# Altium PCB OpenRec.PcbDoc (part 2 of 4) (continued)
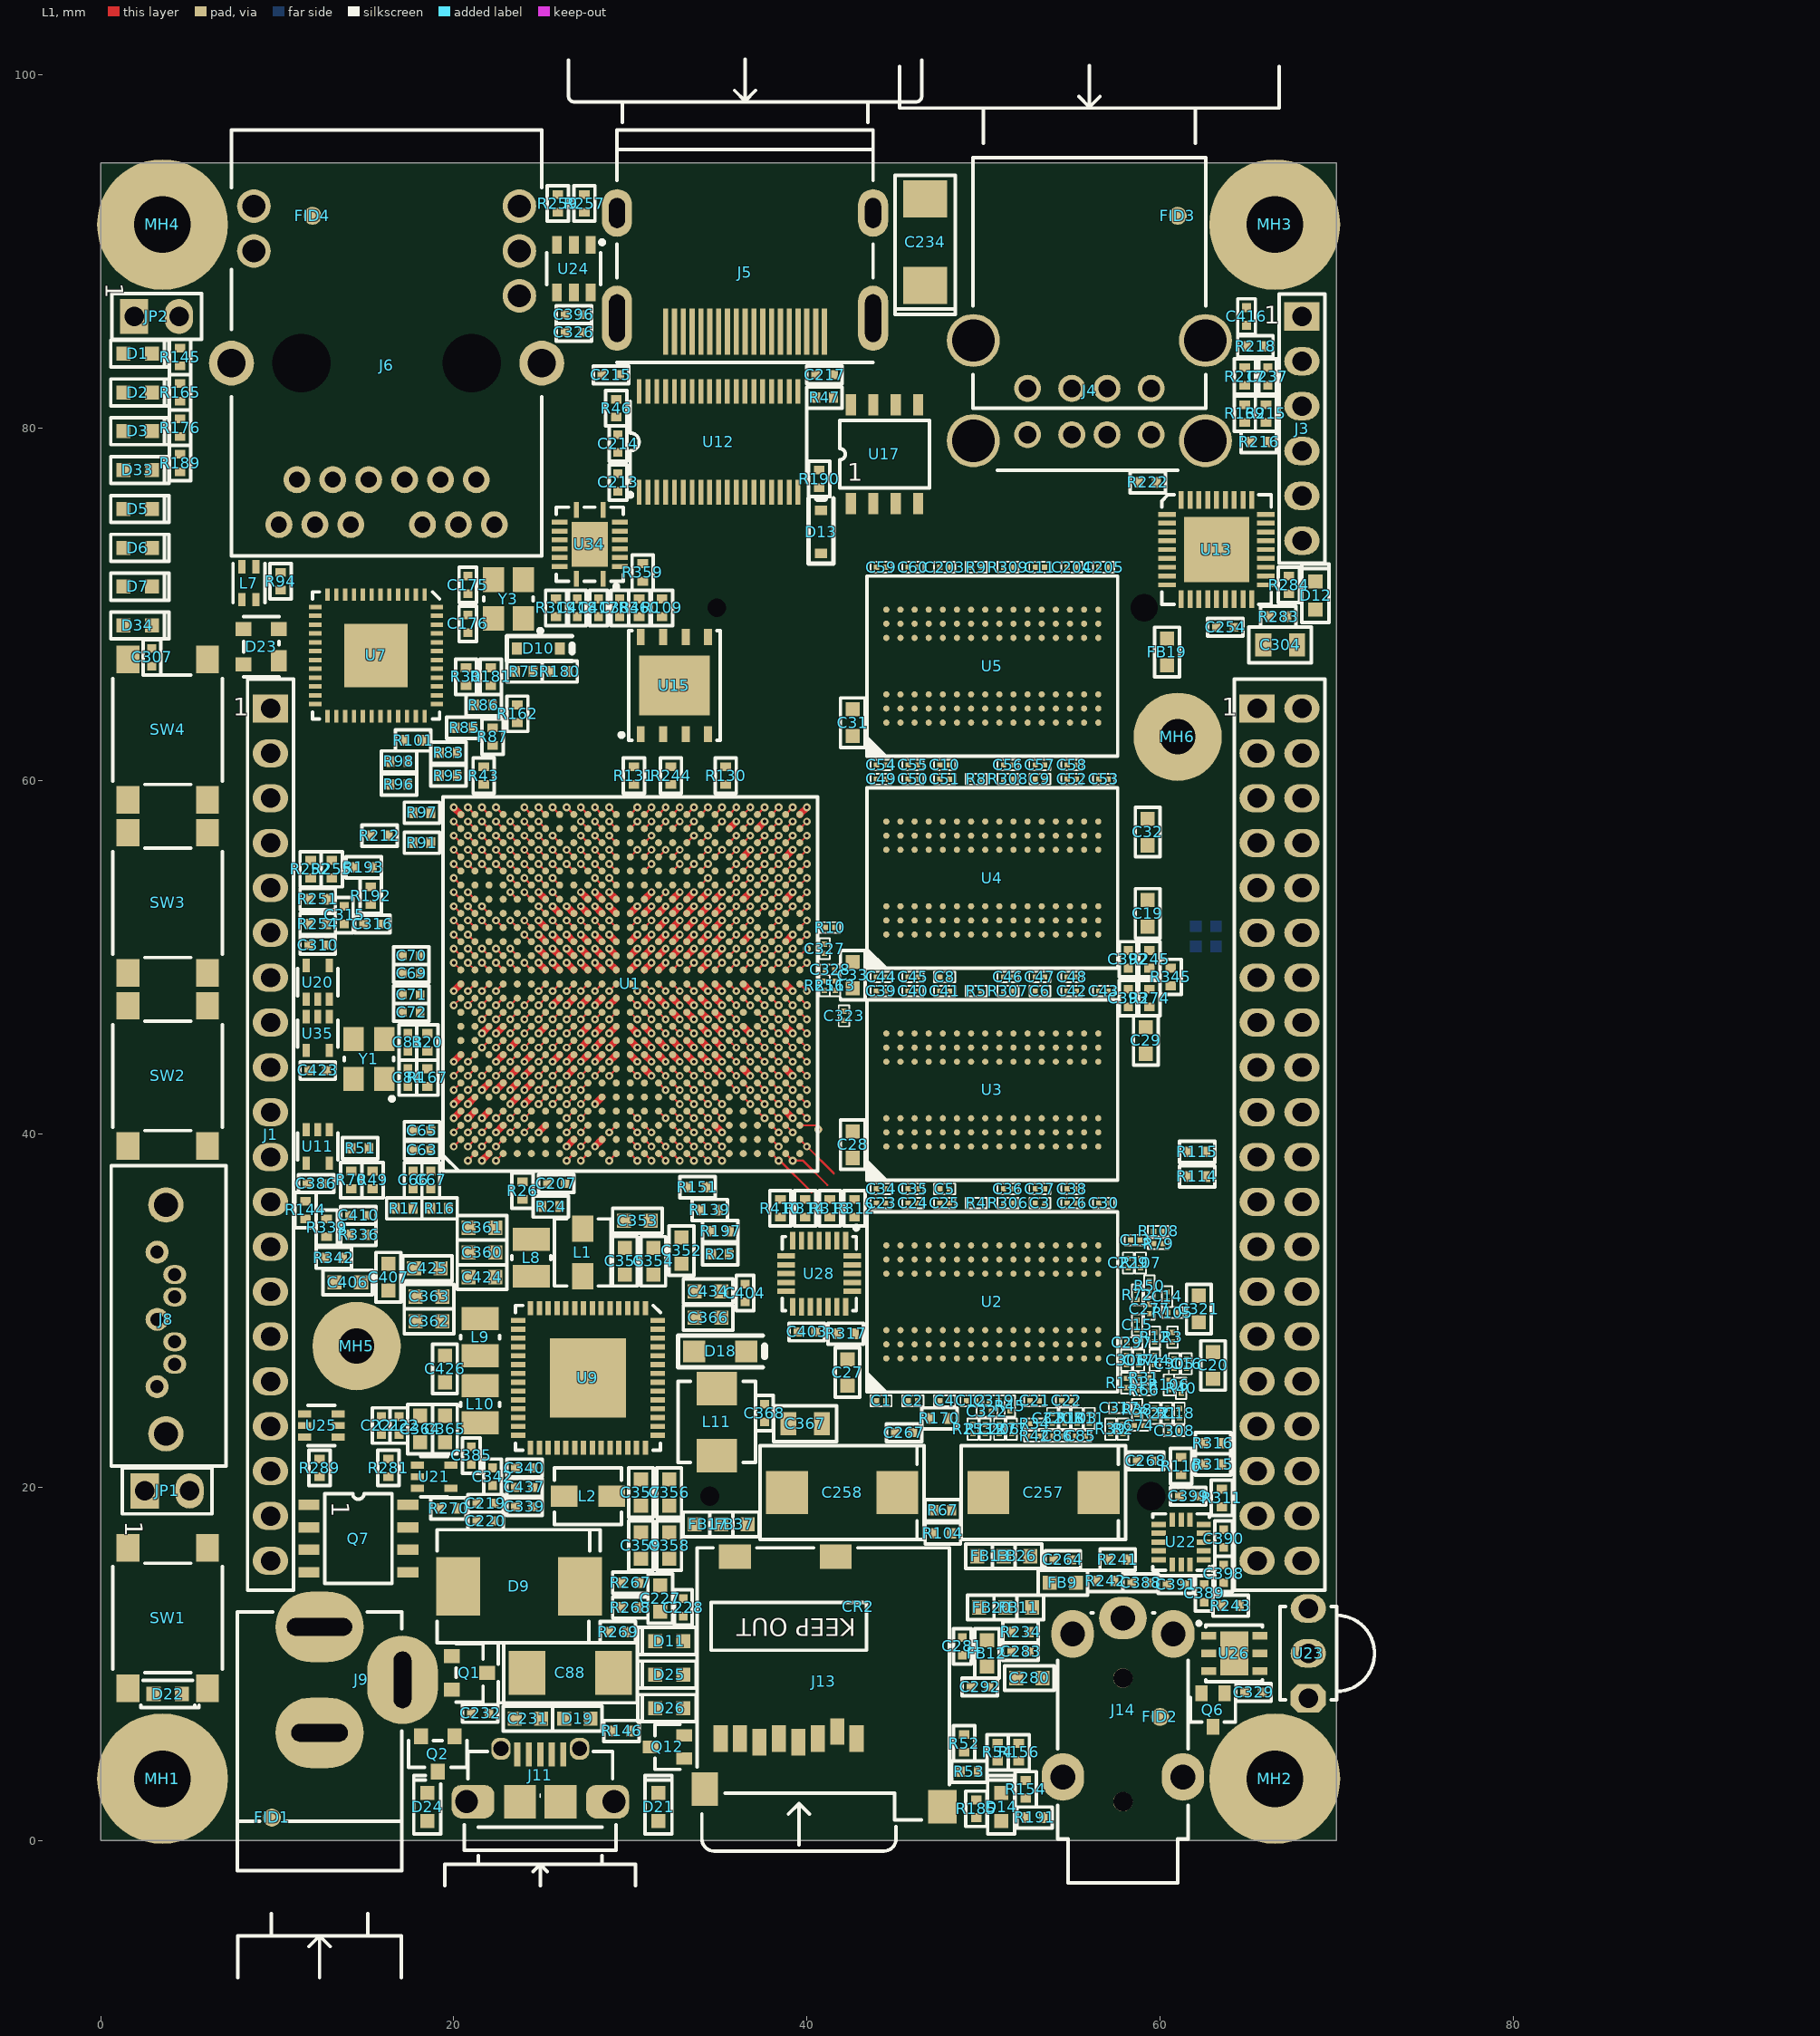
[diagram p0: L1 view]
## Components (designator, comment, footprint, x,y, rotation, side; value= is the part's Value field where it differs from the comment) (continued)
R240 "10k" R0402 28.3,61.2 r270 bottom
R241 "0R" R0402 57.6,15.9 r180 top
R242 "0R" R0402 56.9,14.7 r180 top
R243 "0R" R0402 64,13.3 r180 top
R244 "10k" R0402 32.3,60.3 r90 top
R245 "240R" R0402 59.4,49.9 r90 top
R246 "60R4" R0402 3.8,46.7 r0 bottom
R247 "0R" R0402 63.2,11.6 r180 bottom
R248 "0R" R0402 6.9,48.1 r0 bottom
R249 "60R4" R0402 5.8,46.7 r0 bottom
R250 "10k" R0402 1.8,47 r0 bottom
R251 "10k" R0402 12.3,53.3 r0 top
R252 "10k" R0402 11.9,55 r270 top
R253 "49R9" R0201 49.4,23.3 r270 top
R254 "33R" R0402 12.3,51.9 r180 top
R255 "33R" R0402 13.1,55 r90 top
R256 "49R9" R0201 41,48.4 r90 top
R257 "4k99" R0402 27.4,92.7 r90 top
R258 "0R" R0402 27.5,92.3 r270 bottom
R259 "0R" R0402 25.9,92.7 r270 top
R260 "100k" R0201 86.788,49.429 r180 bottom
R261 "100k" R0402 33.3,27.7 r180 bottom
R262 "100k" R0402 5.6,22.9 r270 bottom
R263 "47k" R0402 32.9,32 r90 bottom
R264 "47k" R0402 32.3,33.6 r0 bottom
R265 "10k" R0402 34.7,29.1 r180 bottom
R266 "100k" R0402 27.1,35.2 r0 bottom
R267 "330R" R0402 30,14.6 r0 top
R268 "330R" R0402 30,13.2 r180 top
R269 "330R" R0402 29.3,11.8 r0 top
R270 "10k" R0402 19.7,18.8 r0 top
R271 "0R" R0402 15.5,42.1 r270 bottom
R272 "10k" R0402 1.4,35.6 r270 bottom
R273 "0R" R0402 7.6,31.4 r90 bottom
R274 "240R" R0402 59.4,47.7 r90 top
R275 "22R" R0402 7.2,62.1 r180 bottom
R276 "0R" R0402 6.4,54.1 r90 bottom
R277 "0R" R0402 7.6,55.4 r270 bottom
R278 "0R" R0402 6.4,49.9 r90 bottom
R279 "0R" R0402 6.4,51.9 r270 bottom
R280 "10k" R0402 13.3,50.5 r180 bottom
R281 "0R" R0402 16.3,21.1 r270 top
R282 "0R" R0402 13.2,22.8 r180 bottom
R283 "10k" R0402 66.7,69.3 r180 top
R284 "10k" R0402 67.3,71.1 r90 top
R285 "10k" R0402 62.2,68.2 r270 bottom
R286 "10k" R0402 66.3,69.4 r0 bottom
R287 "0R" R0402 25.5,88 r90 bottom
R288 "0R" R0402 25.5,93.5 r270 bottom
R289 "10k" R0402 12.4,21.1 r90 top
R290 "4k99" R0402 6.4,56.1 r90 bottom
R291 "4k99" R0402 7.6,53.2 r90 bottom
R292 "11k8" R0402 20.2,10.2 r90 bottom
R293 "10k" R0402 15.7,1.7 r270 bottom
R294 "0R" R0805_SMALL 16.2,82.4 r180 bottom
R295 "0R" R0805_SMALL 16.2,84.4 r0 bottom
R296 "10k5" R0402 21.3,4.7 r90 bottom
R297 "0R" R0402 16.7,84.1 r180 bottom
R298 "0R" R0402 15.7,84.1 r180 bottom
R299 "33R" R0402 18.8,14.9 r270 bottom
R300 "33R" R0402 17.5,14.9 r270 bottom
R301 "470k" R0402 20.1,5.1 r270 bottom
R302 "4k99" R0402 1.4,43 r270 bottom
R303 "10k" R0402 1.8,44.6 r0 bottom
R304 "0R" R0402 15.2,3.3 r0 bottom
R305 "10k" R0402 14.2,1.7 r90 bottom
R306 "240R" R0201 51.4,36.1 r0 top
R307 "240R" R0201 51.4,48.1 r0 top
R308 "240R" R0201 51.4,60.1 r0 top
R309 "240R" R0201 51.4,72.1 r0 top
R310 "10k" R0402 62.3,29.3 r180 bottom
R311 "0R" R0402 63.5,19.4 r90 top
R312 "10k" R0402 42.7,35.8 r270 top
R313 "0R" R0402 41.3,35.8 r90 top
R314 "0R" R0402 39.9,35.8 r90 top
R315 "10k" R0402 63,21.3 r180 top
R316 "0R" R0402 63,22.5 r180 top
R317 "10k" R0402 42.2,28.7 r180 top
R318 "0R" R0402 61.6,33.5 r270 bottom
R319 "10k" R0402 25.8,69.8 r90 top
R320 "0R" R0402 40.7,28.8 r0 bottom
R321 "0R" R0402 44,79.6 r0 bottom
R322 "0R" R0402 43,79.6 r180 bottom
R323 "0R" R0402 42,79.6 r0 bottom
R324 "0R" R0402 44,78.2 r0 bottom
R325 "0R" R0402 43,78.2 r180 bottom
R326 "0R" R0402 42,78.2 r0 bottom
R327 "0R" R0402 35.6,91.4 r180 bottom
R328 "0R" R0402 36.6,91.4 r0 bottom
R329 "0R" R0402 37.6,91.4 r180 bottom
R330 "0R" R0402 35.6,90 r180 bottom
R331 "0R" R0402 36.6,90 r0 bottom
R332 "0R" R0402 37.6,90 r180 bottom
R333 "0R" R0402 7.6,37.8 r270 bottom
R334 "0R" R0402 6.2,29.3 r270 bottom
R335 "10k" R0402 5.7,27 r270 bottom
R336 "82k" R0402 14.6,34.3 r0 top
R337 "150k" R0402 7.6,29.3 r90 bottom
R338 "100k" R0402 7.3,27.6 r180 bottom
R339 "63k4" R0402 12.8,34.7 r90 top
R340 "0R" R0402 26.8,31.7 r90 bottom
R341 "0R" R0402 21.3,29.8 r0 bottom
R342 "0R" R0402 13.2,33 r180 top
R343 "0R" R0402 12.1,35.4 r0 bottom
R344 "100k" R0402 14.4,37 r0 bottom
R345 "0R" R0402 60.6,48.9 r270 top
R346 "1k" R0402 36.4,63.2 r270 bottom
R347 "100k" R0402 1.4,27.6 r270 bottom
R348 "0R" R0402 1.4,31.6 r90 bottom
R350 "0R" R0402 3.6,41.9 r180 bottom
R351 "0R" R0402 7.6,35.7 r90 bottom
R352 "0R" R0402 20.7,80.3 r0 bottom
R353 "0R" R0402 21.7,80.3 r0 bottom
R354 "0R" R0402 10.7,79.1 r90 bottom
R355 "0R" R0402 10.7,80.1 r270 bottom
R356 "47k" R0402 39.1,76.4 r0 bottom
R357 "0R" R0402 37.3,76 r270 bottom
R358 "1M" R0402 62.3,76.6 r180 bottom
R359 "10k" R0402 30.7,71.8 r270 top
R360 "10k" R0402 30.5,69.8 r270 top
R361 "0R" R0402 27.9,72.5 r0 bottom
R362 "0R" R0402 27.9,73.7 r0 bottom
R363 "0R" R0402 26.1,76.1 r270 bottom
R364 "0R" R0402 27.9,75.3 r0 bottom
R365 "100k" R0402 7.2,20.6 r180 bottom
R366 "0R" R0402 63.2,51.2 r90 bottom
R367 "0R" R0402 62.6,50.6 r180 bottom
R368 "0R" R0402 62.6,51.8 r0 bottom
R369 "0R" R0402 62,51.2 r270 bottom
R370 "3k3" R0402 50.3,92.1 r90 bottom
R371 "3k3" R0402 58.3,93.7 r0 bottom
R372 "3k3" R0402 55.1,91.6 r270 bottom
R373 "0R" R0402 52.7,89.8 r0 bottom
R374 "0R" R0402 56.3,93.7 r180 bottom
R375 "3k3" R0402 53.2,93.7 r0 bottom
R376 "3k3" R0402 55.4,89.8 r180 bottom
R377 "3k3" R0402 59.7,89.8 r0 bottom
R378 "0R" R0402 57.4,89.8 r0 bottom
R379 "240R" R0402 8.4,5.4 r0 bottom
R380 "10k" R0402 7.2,23.3 r0 bottom
R381 "10k" R0402 20.2,61.6 r0 bottom
R382 "10k" R0402 1.8,45.8 r180 bottom
R383 "10k" R0402 41.8,33.1 r0 bottom
R384 "0R" R0402 24.1,31.6 r0 bottom
R385 "100k" R0402 29,14.7 r0 bottom
R386 "24k" R0402 15.9,15 r180 bottom
R387 "1k5" R0402 16.3,12.6 r0 bottom
R388 "3k" R0402 15.9,13.8 r180 bottom
R389 "0R" R0402 1.6,21.9 r0 bottom
R390 "0R" R0402 1.8,57 r0 bottom
R391 "0R" R0402 22.3,13.5 r270 bottom
R392 "0R" R0402 1.8,58.4 r0 bottom
R393 "100k" R0402 9.1,7.7 r90 bottom
R394 "100k" R0402 12.1,20.6 r180 bottom
R395 "100k" R0402 11.6,22.2 r270 bottom
R396 "100k" R0402 11.6,17.3 r270 bottom
R397 "0R" R0402 10.9,89.3 r180 bottom
R398 "10k" R0402 13.2,87.5 r180 bottom
R399 "390k" R0402 15.1,93.3 r90 bottom
R400 "150k" R0402 10.9,88 r0 bottom
R401 "100k" R0402 13.2,86.3 r0 bottom
R402 "86k6" R0402 12.7,93.3 r270 bottom
R403 "47k" R0402 11,86.7 r180 bottom
R404 "0R" R0402 7.8,85.8 r180 bottom
R405 "10k" R0402 7.2,39.4 r0 bottom
R406 "0R" R0402 10.9,90.5 r0 bottom
R407 "0R" R0402 10.9,91.7 r0 bottom
R408 "100k" R0402 10.5,93.3 r90 bottom
R410 "10k" R0402 38.5,35.8 r270 top
R411 "0R" R0402 12,45.6 r270 bottom
R412 "0R" R0402 12.2,47.7 r180 bottom
R413 "0R" R0402 15.7,52.4 r90 bottom
SW1 "PTS645SH50SMTR92 LFS" TACT_SMD 3.8,12.6 r270 top
SW2 "PTS645SH50SMTR92 LFS" TACT_SMD 3.8,43.3 r270 top
SW3 "PTS645SH50SMTR92 LFS" TACT_SMD 3.8,53.1 r270 top locked
SW4 "PTS645SH50SMTR92 LFS" TACT_SMD 3.8,62.9 r270 top locked
TP1 "TP_25MILC" TP_25C 14.1,38.2 r90 bottom
TP2 "TP_25MILC" TP_25C 15.5,43.7 r90 bottom
TP3 "TP_25MILC" TP_25C 14.3,43.7 r90 bottom
TP4 "TP_25MILC" TP_25C 23.55,8.6 r90 bottom
TP5 "TP_25MILC" TP_25C 15.2,38.5 r90 bottom
TP6 "TP_25MILC" TP_25C 66.7,10.1 r270 bottom
TP7 "TP_25MILC" TP_25C 50.1,7.3 r90 bottom
TP8 "TP_25MILC" TP_25C 30,34.9 r270 bottom
TP9 "TP_25MILC" TP_25C 17.6,73.3 r90 bottom
TP10 "TP_25MILC" TP_25C 31.7,13.4 r270 bottom
TP11 "TP_25MILC" TP_25C 16,35.4 r270 bottom
TP12 "TP_25MILC" TP_25C 17.2,37.2 r90 bottom
TP13 "TP_25MILC" TP_25C 16.7,43.7 r90 bottom
TP14 "TP_25MILC" TP_25C 62.3,22.5 r90 bottom
TP15 "TP_25MILC" TP_25C 60.7,41.1 r270 bottom
TP16 "TP_25MILC" TP_25C 63.6,67.9 r90 bottom
TP17 "TP_25MILC" TP_25C 65.5,7.7 r270 bottom
TP18 "TP_25MILC" TP_25C 65.5,9.4 r270 bottom
TP19 "TP_25MILC" TP_25C 40.5,11.2 r90 bottom
TP20 "TP_25MILC" TP_25C 40.5,10.2 r90 bottom
TP21 "TP_25MILC" TP_25C 66.7,8.7 r270 bottom
TP22 "TP_25MILC" TP_25C 29.5,73.4 r90 bottom
TP23 "TP_25MILC" TP_25C 24.9,75.6 r90 bottom
TP24 "TP_25MILC" TP_25C 29.5,72.2 r90 bottom
TP25 "TP_25MILC" TP_25C 29.5,74.6 r90 bottom
TP26 "TP_25MILC" TP_25C 18,46.9 r90 bottom
TP27 "TP_25MILC" TP_25C 20.9,64.9 r90 bottom
TP28 "TP_25MILC" TP_25C 30.1,61.2 r90 bottom
TP29 "TP_25MILC" TP_25C 20,26.3 r90 bottom
TP30 "TP_25MILC" TP_25C 20,27.5 r90 bottom
TP31 "TP_25MILC" TP_25C 30.3,36.1 r90 bottom
TP32 "TP_25MILC" TP_25C 59.4,46.1 r90 bottom
TP33 "TP_25MILC" TP_25C 24.1,81.5 r90 bottom
TP34 "TP_25MILC" TP_25C 53.2,13.7 r90 bottom
TP35 "TP_25MILC" TP_25C 91.388,45.629 r90 bottom
TP36 "TP_25MILC" TP_25C 27,16.4 r90 bottom
TP37 "TP_25MILC" TP_25C 33.3,34.8 r90 bottom
TP38 "TP_25MILC" TP_25C 29,18.1 r180 bottom
TP39 "TP_25MILC" TP_25C 12.4,9.5 r90 bottom
TP40 "TP_25MILC" TP_25C 61.4,89.8 r90 bottom
TP41 "TP_25MILC" TP_25C 51.1,7.3 r90 bottom
U1 "MCIMX6Q5EYM10AC_v.ORX" PBGA624 30,48.5 r90 top locked
U2 "MT41J256M16HA-125:E" 96_FPGA_DD3_14MMX10MM-SMALL_SIZE 50.5,30.5 r90 top locked
U3 "MT41J256M16HA-125:E" 96_FPGA_DD3_14MMX10MM-SMALL_SIZE 50.5,42.5 r90 top locked
U4 "MT41J256M16HA-125:E" 96_FPGA_DD3_14MMX10MM-SMALL_SIZE 50.5,54.5 r90 top locked
U5 "MT41J256M16HA-125:E" 96_FPGA_DD3_14MMX10MM-SMALL_SIZE 50.5,66.5 r90 top locked
U6 "LPC1345FHN33,551-ND" HVQFN33_7X7MM 18.6,20.5 r180 bottom
U7 "KSZ9031RNXIA" QFN48_SMALL_EP_7MMX7MM 15.6,67.1 r270 top locked
U8 "SN74AHC1G09DCKR" SC70_5 12.3,39.3 r270 bottom
U9 "MMPF0100NPAEP" "56-VFQFN EP" 27.6,26.2 r270 top locked
U10 "SN74AHC1G09DCKR" SC70_5 1.9,38.2 r90 bottom
U11 "SN74LVC1G08DCKR" SC70_5 12.3,39.3 r270 top
U12 "CM2020-00TR" TSSOP_38 35,79.2 r90 top locked
U13 "USB2514BI-AEZG" QFN36_6MMX6MM 63.2,73.1 r0 top locked
U14 "SGTL5000XNAA3R2" "QFN32 5x5x0.85_V1.1" 50.1,11 r180 bottom
U15 "SST26VF032B-104I/MF" WSON8_6X5MM 32.5,65.4 r90 top
U16 "M74VHC1GT126DF1G" SC70_5 11.6,1.6 r180 bottom
U17 "MIC2026-1YM TR" 8_SOIC_3.9MM 44.4,78.5 r90 top locked
U18 "BR24L02FVM-WTR" "MSOP8 _SMALLER" 61.5,37.3 r270 bottom
U19 "TJA1040T" 8_SOIC_3.9MM 3.2,51.3 r270 bottom
U20 "SN74LVC1G08DCKR" SC70_5 12.3,48.6 r90 top
U21 "SN74AHC1G09DCKR" SC70_5 18.9,20.6 r0 top
U22 "FXOS8700CQR1" QFN16_3X3MM 61.2,16.9 r180 top locked
U23 "TSOP38238" TSOP382 68.4,8.06 r180 top locked
U24 "TMP101NA" SOT23-6_DBV6 26.8,89 r270 top
U25 "TS5A3157DCKR" SC70_6 12.5,23.5 r0 top
U26 "SHT21" 6_DFN_3MMX3MM 64.2,10.6 r0 top
U27 "TL431AQDBZR" SOT-23-3-123 21,7.4 r270 bottom
U28 "FXAS21002CQR1" QFN24_4X4MM 40.7,32.1 r270 top
U29 "SN74LVC1G14DCKR" SC70_5 61.9,26.5 r0 bottom
U30 "ISL8024AIRTAJZ-T7A" 16-TQFN_3mmx3mm_V1.1 14.2,33 r90 bottom
U31 "TPS3808G09DBVRG4" DBV_SOT_23_6 3.6,41.9 r90 bottom
U32 "MIC33050-4YHL TR" MLF_3X3_12PINS 15.5,79.7 r0 bottom
U33 "SN74LVC1G17DCKR" SC70_5 37.6,79 r90 bottom
U34 "SN74AVC4T245RGYR" "RGY (R-PVQFN-N16)" 27.7,73.4 r90 top
U35 "SN74LVC1G08DCKR" SC70_5 12.3,45.7 r270 top
U36 "ISL8024AIRTAJZ-T7A" 16-TQFN_3mmx3mm_V1.1 13.9,90.2 r90 bottom
Y1 "24MHz" ABM8 15.2,44.25 r90 top
Y2 "32.768kHz" ABS06 18.3,44.3 r90 bottom
Y3 "25.000MHz" ABM8G 23.1,70.3 r90 top
Y4 "24MHz" ABM8 63.6,74 r270 bottom
Y5 "7M-12.000MAHE-T" 7M 25.7,19.3 r270 bottom

## Footprints (in the part's own frame and the unit in brackets; to place one, negate y for a bottom-side part, rotate by r counter-clockwise, add the part's x,y. Pads: shape width x height; smd on the part's side, far side on the other; paste and mask are expansions set on the pad)
4-1734592-0 [mm] "Creator MM"
  rect 0.3x1.1 smd mask+0.025: 1(-9.75,0.85) 2(-9.25,0.85) 3(-8.75,0.85) 4(-8.25,0.85) 5(-7.75,0.85) 6(-7.25,0.85) 7(-6.75,0.85) 8(-6.25,0.85) 9(-5.75,0.85) 10(-5.25,0.85) 11(-4.75,0.85) 12(-4.25,0.85) 13(-3.75,0.85) 14(-3.25,0.85) 15(-2.75,0.85) 16(-2.25,0.85) 17(-1.75,0.85) 18(-1.25,0.85) 19(-0.75,0.85) 20(-0.25,0.85) 21(0.25,0.85) 22(0.75,0.85) 23(1.25,0.85) 24(1.75,0.85) 25(2.25,0.85) 26(2.75,0.85) 27(3.25,0.85) 28(3.75,0.85) 29(4.25,0.85) 30(4.75,0.85) 31(5.25,0.85) 32(5.75,0.85) 33(6.25,0.85) 34(6.75,0.85) 35(7.25,0.85) 36(7.75,0.85) 37(8.25,0.85) 38(8.75,0.85) 39(9.25,0.85) 40(9.75,0.85)
  rect 2.3x3.1 smd mask+0.076: 41(-11.42,-0.85) 42(11.42,-0.85)
  silkscreen extent -12.9,-5.2 12.9,-2.6, body extent -12.72,-3.96 12.71,1.15, height 2.05
6_DFN_3MMX3MM [mm] "Creator MM"
  rect 0.85x0.45 smd mask+0.045: 1(-1.45,1) 2(-1.45,0) 3(-1.45,-1) 4(1.45,-1) 5(1.45,0) 6(1.45,1)
  rect 1.6x2.5 smd mask+0.045: 7(0,0)
  silkscreen extent -2.05,-1.6 1.6,1.75, body extent -1.51,-1.5 1.51,1.5, height 1.13
7M [mm] "Creator MM"
  rect 1.4x1.2 smd mask+0.1: 1(-1.1,-0.85) 2(1.1,-0.85) 3(1.1,0.85) 4(-1.1,0.85)
  silkscreen extent -2.35,-1.4 0.1,1.4, body extent -1.65,-1.3 1.65,1.3, height 0.8
8_SOIC_3.9MM [mm]
  rect 1.2x0.58 smd: 1(-2.8,1.905) 2(-2.8,0.635) 3(-2.8,-0.635) 4(-2.8,-1.905) 5(2.8,-1.905) 6(2.8,-0.635) 7(2.8,0.635) 8(2.8,1.905)
  silkscreen extent -1.91,-2.54 1.91,2.54, body extent -3,-2.45 3,2.45, height 1.75
16-TQFN_3mmx3mm_V1.1 [mm] "Shortend length of pads."
  rect 0.78x0.23 smd mask+0.03: 1(-1.41,0.75) 2(-1.41,0.25) 3(-1.41,-0.25) 4(-1.41,-0.75) 9(1.41,-0.75) 10(1.41,-0.25) 11(1.41,0.25) 12(1.41,0.75)
  rect 0.23x0.78 smd mask+0.03: 5(-0.75,-1.41) 6(-0.25,-1.41) 7(0.25,-1.41) 8(0.75,-1.41) 13(0.75,1.41) 14(0.25,1.41) 15(-0.25,1.41) 16(-0.75,1.41)
  rect 1.6x1.6 smd mask+0.03: 17(0,0)
  silkscreen extent -1.6,-1.6 1.6,1.6, body extent -1.5,-1.5 1.5,1.5, height 0.9
"56-VFQFN EP" [mm] "Creator MM"
  rect 0.8x0.3 smd mask+0.03: 1(-3.95,3.25) 2(-3.95,2.75) 3(-3.95,2.25) 4(-3.95,1.75) 5(-3.95,1.25) 6(-3.95,0.75) 7(-3.95,0.25) 8(-3.95,-0.25) 9(-3.95,-0.75) 10(-3.95,-1.25) 11(-3.95,-1.75) 12(-3.95,-2.25) 13(-3.95,-2.75) 14(-3.95,-3.25) 29(3.95,-3.25) 30(3.95,-2.75) 31(3.95,-2.25) 32(3.95,-1.75) 33(3.95,-1.25) 34(3.95,-0.75) 35(3.95,-0.25) 36(3.95,0.25) 37(3.95,0.75) 38(3.95,1.25) 39(3.95,1.75) 40(3.95,2.25) 41(3.95,2.75) 42(3.95,3.25)
  rect 0.3x0.8 smd mask+0.03: 15(-3.25,-3.95) 16(-2.75,-3.95) 17(-2.25,-3.95) 18(-1.75,-3.95) 19(-1.25,-3.95) 20(-0.75,-3.95) 21(-0.25,-3.95) 22(0.25,-3.95) 23(0.75,-3.95) 24(1.25,-3.95) 25(1.75,-3.95) 26(2.25,-3.95) 27(2.75,-3.95) 28(3.25,-3.95) 43(3.25,3.95) 44(2.75,3.95) 45(2.25,3.95) 46(1.75,3.95) 47(1.25,3.95) 48(0.75,3.95) 49(0.25,3.95) 50(-0.25,3.95) 51(-0.75,3.95) 52(-1.25,3.95) 53(-1.75,3.95) 54(-2.25,3.95) 55(-2.75,3.95) 56(-3.25,3.95)
  rect 4.5x4.3 smd paste-10 mask+0.03: 57(0,0)
  silkscreen extent -4.1,-4.1 4.1,4.1, body extent -4,-4 4,4, height 0.9
96_FPGA_DD3_14MMX10MM-SMALL_SIZE [mm] "Creator MM"
  round 0.35 smd mask+0.05: A1(-3.2,6) A2(-2.4,6) A3(-1.6,6) A7(1.6,6) A8(2.4,6) A9(3.2,6) B1(-3.2,5.2) B2(-2.4,5.2) B3(-1.6,5.2) B7(1.6,5.2) B8(2.4,5.2) B9(3.2,5.2) C1(-3.2,4.4) C2(-2.4,4.4) C3(-1.6,4.4) C7(1.6,4.4) C8(2.4,4.4) C9(3.2,4.4) D1(-3.2,3.6) D2(-2.4,3.6) D3(-1.6,3.6) D7(1.6,3.6) D8(2.4,3.6) D9(3.2,3.6) E1(-3.2,2.8) E2(-2.4,2.8) E3(-1.6,2.8) E7(1.6,2.8) E8(2.4,2.8) E9(3.2,2.8) F1(-3.2,2) F2(-2.4,2) F3(-1.6,2) F7(1.6,2) F8(2.4,2) F9(3.2,2) G1(-3.2,1.2) G2(-2.4,1.2) G3(-1.6,1.2) G7(1.6,1.2) G8(2.4,1.2) G9(3.2,1.2) H1(-3.2,0.4) H2(-2.4,0.4) H3(-1.6,0.4) H7(1.6,0.4) H8(2.4,0.4) H9(3.2,0.4) J1(-3.2,-0.4) J2(-2.4,-0.4) J3(-1.6,-0.4) J7(1.6,-0.4) J8(2.4,-0.4) J9(3.2,-0.4) K1(-3.2,-1.2) K2(-2.4,-1.2) K3(-1.6,-1.2) K7(1.6,-1.2) K8(2.4,-1.2) K9(3.2,-1.2) L1(-3.2,-2) L2(-2.4,-2) L3(-1.6,-2) L7(1.6,-2) L8(2.4,-2) L9(3.2,-2) M1(-3.2,-2.8) M2(-2.4,-2.8) M3(-1.6,-2.8) M7(1.6,-2.8) M8(2.4,-2.8) M9(3.2,-2.8) N1(-3.2,-3.6) N2(-2.4,-3.6) N3(-1.6,-3.6) N7(1.6,-3.6) N8(2.4,-3.6) N9(3.2,-3.6) P1(-3.2,-4.4) P2(-2.4,-4.4) P3(-1.6,-4.4) P7(1.6,-4.4) P8(2.4,-4.4) P9(3.2,-4.4) R1(-3.2,-5.2) R2(-2.4,-5.2) R3(-1.6,-5.2) R7(1.6,-5.2) R8(2.4,-5.2) R9(3.2,-5.2) T1(-3.2,-6) T2(-2.4,-6) T3(-1.6,-6) T7(1.6,-6) T8(2.4,-6) T9(3.2,-6)
  silkscreen extent -5.1,-7.1 5.1,7.1, body extent -5,-7 5,7, height 1.2
0532610471 [mm] "Creator MM"
  rect 1.6x0.8 smd mask+0.06: 1(-1.45,-1.875) 2(-1.45,-0.625) 3(-1.45,0.625) 4(-1.45,1.875)
  rect 3x2.1 smd mask+0.06: 5(1.45,-4.425) 6(1.45,4.425)
  silkscreen extent -1.4,-3.5 3.7,3.5, body extent -1.6,-5.08 3.6,5.07, height 3.39
693071010811 [mm]
  rect 0.8x1.5 smd mask+0.09: 1(-1.815,3.225) 2(-0.715,2.825) 3(0.385,3.225) 4(1.485,3.425) 5(2.585,3.225) 6(3.685,3.425) 7(4.785,3.225) 8(5.885,3.225)
  rect 1.8x1.4 smd: 9(-0.625,-7.075) 10(5.075,-7.075)
  rect 1.5x1.9 smd: 11(6.775,6.075)
  rect 1.6x1.9 smd: 12(-6.675,7.075)
  silkscreen extent -7.07,-7.57 7.22,9.6, body extent -6.87,-7.46 7.13,7.75, height 1.83
ABM8 [mm] "Creator MM"
  rect 1.35x1.15 smd mask+0.1: 1(-1.125,-0.875) 2(1.125,-0.875) 3(1.125,0.875) 4(-1.125,0.875)
  silkscreen extent -2.35,-1.4 0.1,1.4, body extent -1.6,-1.25 1.6,1.25, height 0.76
ABM8G [mm] "Creator MM"
  rect 1.4x1.2 smd mask+0.1: 1(-1.1,-0.85) 2(1.1,-0.85) 3(1.1,0.85) 4(-1.1,0.85)
  silkscreen extent -1.9,-1.9 0.1,1.4, body extent -1.6,-1.25 1.6,1.25, height 1.02
ABS06 [mm]
  rect 0.75x1.4 smd: 1(-0.725,0) 2(0.725,0)
  silkscreen extent -1.4,-1 1.4,1, body extent -1,-0.62 1,0.6, height 0.61
ACM2012 [mm]
  rect 0.75x0.4 smd mask+0.076: 1(-0.925,0.4) 2(-0.925,-0.4) 3(0.925,-0.4) 4(0.925,0.4)
  silkscreen extent -1.1,-0.9 1.1,0.9, body extent -1.2,-0.7 1.2,0.7, height 1.3
C0201 [mm] "Creator MM"
  rect 0.3x0.3 smd mask+0.04: 1(-0.265,0) 2(0.265,0)
  silkscreen extent -0.6,-0.3 0.6,0.3, body extent -0.3,-0.15 0.3,0.15, height 0.3
C0402 [mm]
  rect 0.5x0.5 smd: 1(-0.5,0) 2(0.5,0)
  silkscreen extent -1,-0.5 1,0.5, body extent -0.5,-0.25 0.5,0.25, height 0.56
C0603 [mm]
  rect 0.8x0.8 smd: 1(-0.75,0) 2(0.75,0)
  silkscreen extent -1.4,-0.7 1.4,0.7, body extent -0.8,-0.42 0.8,0.44, height 0.95
C0603_small [mm] "Creator MM"
  rect 0.7x0.8 smd: 1(-0.65,0) 2(0.65,0)
  silkscreen extent -1.3,-0.7 1.3,0.7, body extent -0.8,-0.42 0.8,0.44, height 0.95
C0805 [mm]
  rect 0.9x1.3 smd: 1(-0.95,0) 2(0.95,0)
  silkscreen extent -1.78,-1.02 1.78,1.02, body extent -1,-0.6 1,0.6, height 1.5
"C1206 -  TLN S CASE TANTAL" [mm] "Creator MM"
  rect 1.15x1.2 smd: 1(-1.175,0) 2(1.175,0)
  silkscreen extent -2.29,-1.14 2.29,1.14, body extent -1.6,-0.8 1.6,0.8, height 1.21
C2312 [mm] "Creator MM. Footprint density lvl B"
  rect 2.1x2.5 smd mask+0.09: 1(-2.45,0) 2(2.45,0)
  silkscreen extent -4.07,-1.7 3.8,1.7, body extent -3.09,-1.61 3.09,1.6, height 2.7
C2917 [mm] "Creator MM. Footprint density lvl B"
  rect 2.37x2.43 smd: 1(-3.12,0) 2(3.12,0)
  silkscreen extent -4.64,-2.65 4.65,2.65, body extent -3.79,-2.3 3.81,2.3, height 3.1
DBV_SOT_23_6 [mm]
  rect 1x0.55 smd: 1(-1.35,0.95) 2(-1.35,0) 3(-1.35,-0.95) 4(1.35,-0.95) 5(1.35,0) 6(1.35,0.95)
  silkscreen extent -2,-1.59 0.9,1.74, body extent -1.59,-1.59 1.59,1.59, height 1.45
ESQ-120-14-G-D [mm] "Creator MM"
  rect 2x1.6 hole 1.1: 1(0,0)
  oval 2x1.6 hole 1.1: 2(-2.54,0) 3(0,-2.54) 4(-2.54,-2.54) 5(0,-5.08) 6(-2.54,-5.08) 7(0,-7.62) 8(-2.54,-7.62) 9(0,-10.16) 10(-2.54,-10.16) 11(0,-12.7) 12(-2.54,-12.7) 13(0,-15.24) 14(-2.54,-15.24) 15(0,-17.78) 16(-2.54,-17.78) 17(0,-20.32) 18(-2.54,-20.32) 19(0,-22.86) 20(-2.54,-22.86) 21(0,-25.4) 22(-2.54,-25.4) 23(0,-27.94) 24(-2.54,-27.94) 25(0,-30.48) 26(-2.54,-30.48) 27(0,-33.02) 28(-2.54,-33.02) 29(0,-35.56) 30(-2.54,-35.56) 31(0,-38.1) 32(-2.54,-38.1) 33(0,-40.64) 34(-2.54,-40.64) 35(0,-43.18) 36(-2.54,-43.18) 37(0,-45.72) 38(-2.54,-45.72) 39(0,-48.26) 40(-2.54,-48.26)
  silkscreen extent -3.84,-49.93 1.3,1.67, body extent -3.81,-49.78 1.27,1.52, height 12.11
ESQ-120-14-G-S [mm] "Creator MM"
  rect 2x1.6 hole 1.1: 1(0,0)
  oval 2x1.6 hole 1.1: 2(0,-2.54) 3(0,-5.08) 4(0,-7.62) 5(0,-10.16) 6(0,-12.7) 7(0,-15.24) 8(0,-17.78) 9(0,-20.32) 10(0,-22.86) 11(0,-25.4) 12(0,-27.94) 13(0,-30.48) 14(0,-33.02) 15(0,-35.56) 16(0,-38.1) 17(0,-40.64) 18(0,-43.18) 19(0,-45.72) 20(0,-48.26)
  silkscreen extent -1.3,-49.93 1.3,1.67, body extent -1.27,-49.78 1.27,1.52, height 11.11
FC68125 [mm]
  oval 2.4x2.7 hole 1.4: 1(0,0)
  oval 2.7x2.4 hole 1.4: 2(-0.9,-2.85) 3(-9,3.4) 4(-9,-3.4) 6(-0.9,2.85)
  round 1.1 hole 1.1 unplated: 5(-10.4,0) 7(-3.4,0)
  silkscreen extent -15,-3.7 0.3,3.7, body extent -14.88,-3.6 0.2,3.6, height 6
FID_40X52D#1 [mm]
  round 1.016 smd paste-1.016 mask+0.15: 1(-0.3,0.3)
FID_40X52D#2 [mm]
  round 1.016 smd paste-1.016 mask+0.15: 1(0,0)
FID_40X52D#3 [mm]
  round 1.016 smd paste-1.016 mask+0.15: 1(0,0.5)
"HDMI V1.1" [mm] "Changed holes to slots"
  rect 2.6x0.3 smd mask+0.025: 1(-3.36,4.5) 2(-3.36,4) 3(-3.36,3.5) 4(-3.36,3) 5(-3.36,2.5) 6(-3.36,2) 7(-3.36,1.5) 8(-3.36,1) 9(-3.36,0.5) 10(-3.36,0) 11(-3.36,-0.5) 12(-3.36,-1) 13(-3.36,-1.5) 14(-3.36,-2) 15(-3.36,-2.5) 16(-3.36,-3) 17(-3.36,-3.5) 18(-3.36,-4) 19(-3.36,-4.5)
  oval 3.7x1.7 hole 0.9 slot 2.7 at 0 deg: MTG1(-2.6,7.25) MTG3(-2.6,-7.25)
  oval 2.7x1.7 hole 0.9 slot 1.7 at 0 deg: MTG2(3.36,7.25) MTG4(3.36,-7.25)
  silkscreen extent -5.1,-10 12.05,10, body extent -4.2,-7.5 7.95,7.5, height 6.28
HDR_1X2_2.54MM [mm]
  rect 2x1.6 hole 1.1: 1(0,0)
  oval 2x1.6 hole 1.1: 2(0,-2.54)
  silkscreen extent -1.3,-3.81 1.3,1.27, body extent -1.2,-3.62 1.2,1.06, height 8.4
HDR_1X6_2.54MM [mm] "Creator MM"
  rect 2x1.6 hole 1.1: 1(0,0)
  oval 2x1.6 hole 1.1: 2(0,-2.54) 3(0,-5.08) 4(0,-7.62) 5(0,-10.16) 6(0,-12.7)
  silkscreen extent -1.3,-13.97 1.3,1.27, body extent -1.2,-13.77 1.2,1.07, height 8.4
HVQFN33_7X7MM [mm] "Creator MM"
  rect 1.1x0.3 smd mask+0.06: 1(-3.35,2.275) 2(-3.35,1.625) 3(-3.35,0.975) 4(-3.35,0.325) 5(-3.35,-0.325) 6(-3.35,-0.975) 7(-3.35,-1.625) 8(-3.35,-2.275) 17(3.35,-2.275) 18(3.35,-1.625) 19(3.35,-0.975) 20(3.35,-0.325) 21(3.35,0.325) 22(3.35,0.975) 23(3.35,1.625) 24(3.35,2.275)
  rect 0.3x1.1 smd mask+0.06: 9(-2.275,-3.35) 10(-1.625,-3.35) 11(-0.975,-3.35) 12(-0.325,-3.35) 13(0.325,-3.35) 14(0.975,-3.35) 15(1.625,-3.35) 16(2.275,-3.35) 25(2.275,3.35) 26(1.625,3.35) 27(0.975,3.35) 28(0.325,3.35) 29(-0.325,3.35) 30(-0.975,3.35) 31(-1.625,3.35) 32(-2.275,3.35)
  rect 4.85x4.85 smd paste-10 mask+0.06: 33(0,0)
  silkscreen extent -3.6,-3.6 3.6,3.6, body extent -3.5,-3.5 3.5,3.5, height 1
IFSC_79MILX98MIL [mm] "Creator MM"
  rect 1.3x2.1 smd: 1(-1.05,0) 2(1.05,0)
  silkscreen extent -0.1,-1.1 0.1,1.1, body extent -1.3,-1 1.3,1, height 1.2
IHLP_118MILX144MIL [mm] "Creator MM"
  rect 1.5x1.2 smd: 1(-1.35,0) 2(1.35,0)
  silkscreen extent -1.9,-1.6 1.9,1.6, body extent -1.9,-1.5 1.9,1.5, height 1.5
IHLP_160MILX175MIL [mm] "Creator MM"
  rect 1.9x2.3 smd: 1(-1.9,0) 2(1.9,0)
  silkscreen extent -2.3,-2.2 2.3,2.2, body extent -2.3,-2.1 2.3,2.1, height 1.2
IHLP_204MILX216MIL [mm] "Creator MM"
  rect 2.115x2.79 smd: 1(-2.137,0) 2(2.138,0)
  silkscreen extent -2.9,-2.7 2.9,2.7, body extent -2.75,-2.6 2.75,2.6, height 3
L829-1J1T-43 [mil]
  round 60 hole 35.43: 1(-200,-305) 2(-120,-305) 3(-40,-305) 4(40,-305) 5(120,-305) 6(200,-305) 7(-240,-405) 8(-160,-405) 9(-80,-405) 10(80,-405) 11(160,-405) 12(240,-405)
  round 75 hole 51.18: 13(-296,205) 14(-296,305) 15(296,105) 16(296,205) 17(296,305)
  round 100 hole 63: 18(-346,-45) 19(346,-45)
  round 0 hole 129.92: ""(-190,-45) ""(190,-45)
  silkscreen extent -346,-475 346,475, body extent -401,-472 401,494, height 494
LED_0603 [mm]
  rect 0.8x0.8 smd: 1(-0.8,0) 2(0.8,0)
  silkscreen extent -1.78,-0.76 1.52,0.76, body extent -0.85,-0.4 0.85,0.4, height 0.66
MH_5MMD_2MMD [mm]
  round 5 / inner round 3.683 / far side round 5 hole 2: 1(0,0)
MH_7.4MMD_3.2MMD [mm]
  round 7.4 / inner round 3.683 / far side round 7.4 hole 3.2 mask+0.025: 1(0,0)
MICRO_SD_CARD [mm] ".Creator MM"
  body extent -8.65,-13.74 2.35,1.26, height 1.95
MICRO_SIM_CARD [mm] "Creator MM"
  body extent 0,-15 12,0, height 1.7
MINI_PCIE_52PIN_CARD_CON [mm] "Creator MM"
  rect 2x0.6 smd mask+0.05: 1(-4.1,-0.7) 2(4.1,-1.1) 3(-4.1,-1.5) 4(4.1,-1.9) 5(-4.1,-2.3) 6(4.1,-2.7) 7(-4.1,-3.1) 8(4.1,-3.5) 9(-4.1,-3.9) 10(4.1,-4.3) 11(-4.1,-4.7) 12(4.1,-5.1) 13(-4.1,-5.5) 14(4.1,-5.9) 15(-4.1,-6.3) 16(4.1,-6.7) 17(-4.1,-10.3) 18(4.1,-10.7) 19(-4.1,-11.1) 20(4.1,-11.5) 21(-4.1,-11.9) 22(4.1,-12.3) 23(-4.1,-12.7) 24(4.1,-13.1) 25(-4.1,-13.5) 26(4.1,-13.9) 27(-4.1,-14.3) 28(4.1,-14.7) 29(-4.1,-15.1) 30(4.1,-15.5) 31(-4.1,-15.9) 32(4.1,-16.3) 33(-4.1,-16.7) 34(4.1,-17.1) 35(-4.1,-17.5) 36(4.1,-17.9) 37(-4.1,-18.3) 38(4.1,-18.7) 39(-4.1,-19.1) 40(4.1,-19.5) 41(-4.1,-19.9) 42(4.1,-20.3) 43(-4.1,-20.7) 44(4.1,-21.1) 45(-4.1,-21.5) 46(4.1,-21.9) 47(-4.1,-22.3) 48(4.1,-22.7) 49(-4.1,-23.1) 50(4.1,-23.5) 51(-4.1,-23.9) 52(4.1,-24.3)
  rect 3.2x2.3 smd: 53(-3.5,2.15) 54(-3.5,-27.15)
  rrect70% 0x0 hole 1.6 unplated: 55(0,0)
  rrect70% 0x0 hole 1.1 unplated: 56(0,-25)
  silkscreen extent -5.1,-26.8 5.1,1.8, body extent -5,-27.35 5,2.35, height 5.95
MINI_PCIE_52PIN_CARD_LATCH [mm] "Creator MM"
  rect 2.7x1.2 smd mask+0.09: 1(-3.15,1.25) 2(-3.15,-1.25) 4(-3.15,-22.95) 5(-3.15,-25.45)
  rect 1.9x1.5 smd mask+0.09: 3(2.75,0) 6(2.75,-24.2)
  rrect70% 0x0 hole 1.55 mask+0.09: 7(0,0)
  rrect70% 0x0 hole 1.05 mask+0.09: 8(0,-24.2)
  silkscreen extent -3.35,-26.6 3.95,2.4, body extent -3.95,-26.6 3.95,2.4, height 6.7
"MINI_PCIE_FULL CARD" [mm] ".Creator MM"
  body extent 0,0 50.95,30, height 6.9
MLF_3X3_12PINS [mm]
  rect 0.48x0.23 smd mask+0.076: 1(-1.36,1.25) 2(-1.36,0.75) 3(-1.36,0.25) 4(-1.36,-0.25) 5(-1.36,-0.75) 6(-1.36,-1.25) 7(1.36,-1.25) 8(1.36,-0.75) 9(1.36,-0.25) 10(1.36,0.25) 11(1.36,0.75) 12(1.36,1.25)
  rect 1.8x1.125 smd mask+0.025: 13(0,0.699)
  rect 0.4x1.19 smd mask+0.076: 14(-0.77,-0.73)
  rect 0.9x1.19 smd mask+0.025: 15(0.45,-0.73)
  silkscreen extent -1.52,-1.65 1.52,2.1, body extent -1.52,-1.65 1.52,1.65, height 0.9
"MSOP8 _SMALLER" [mm]
  rect 1.04x0.38 smd mask+0.076: 1(-1.9,0.975) 2(-1.9,0.325) 3(-1.9,-0.325) 4(-1.9,-0.975) 5(1.9,-0.975) 6(1.9,-0.325) 7(1.9,0.325) 8(1.9,0.975)
  silkscreen extent -1.5,-1.6 1.5,1.6, body extent -1.5,-1.6 1.5,1.6, height 0.9